# Altium PCB Evaluation Board.PcbDoc (part 5 of 22)
Units mm, origin at the board's own origin, x right, y up, seen from the top; angles counter-clockwise.
Board outline 200 x 200 mm, 4 copper layers (Top Layer, GND, Power, Bottom Layer), stack 1.56 mm thick; 639 components, 758 nets, 3043 pads, 1306 vias.
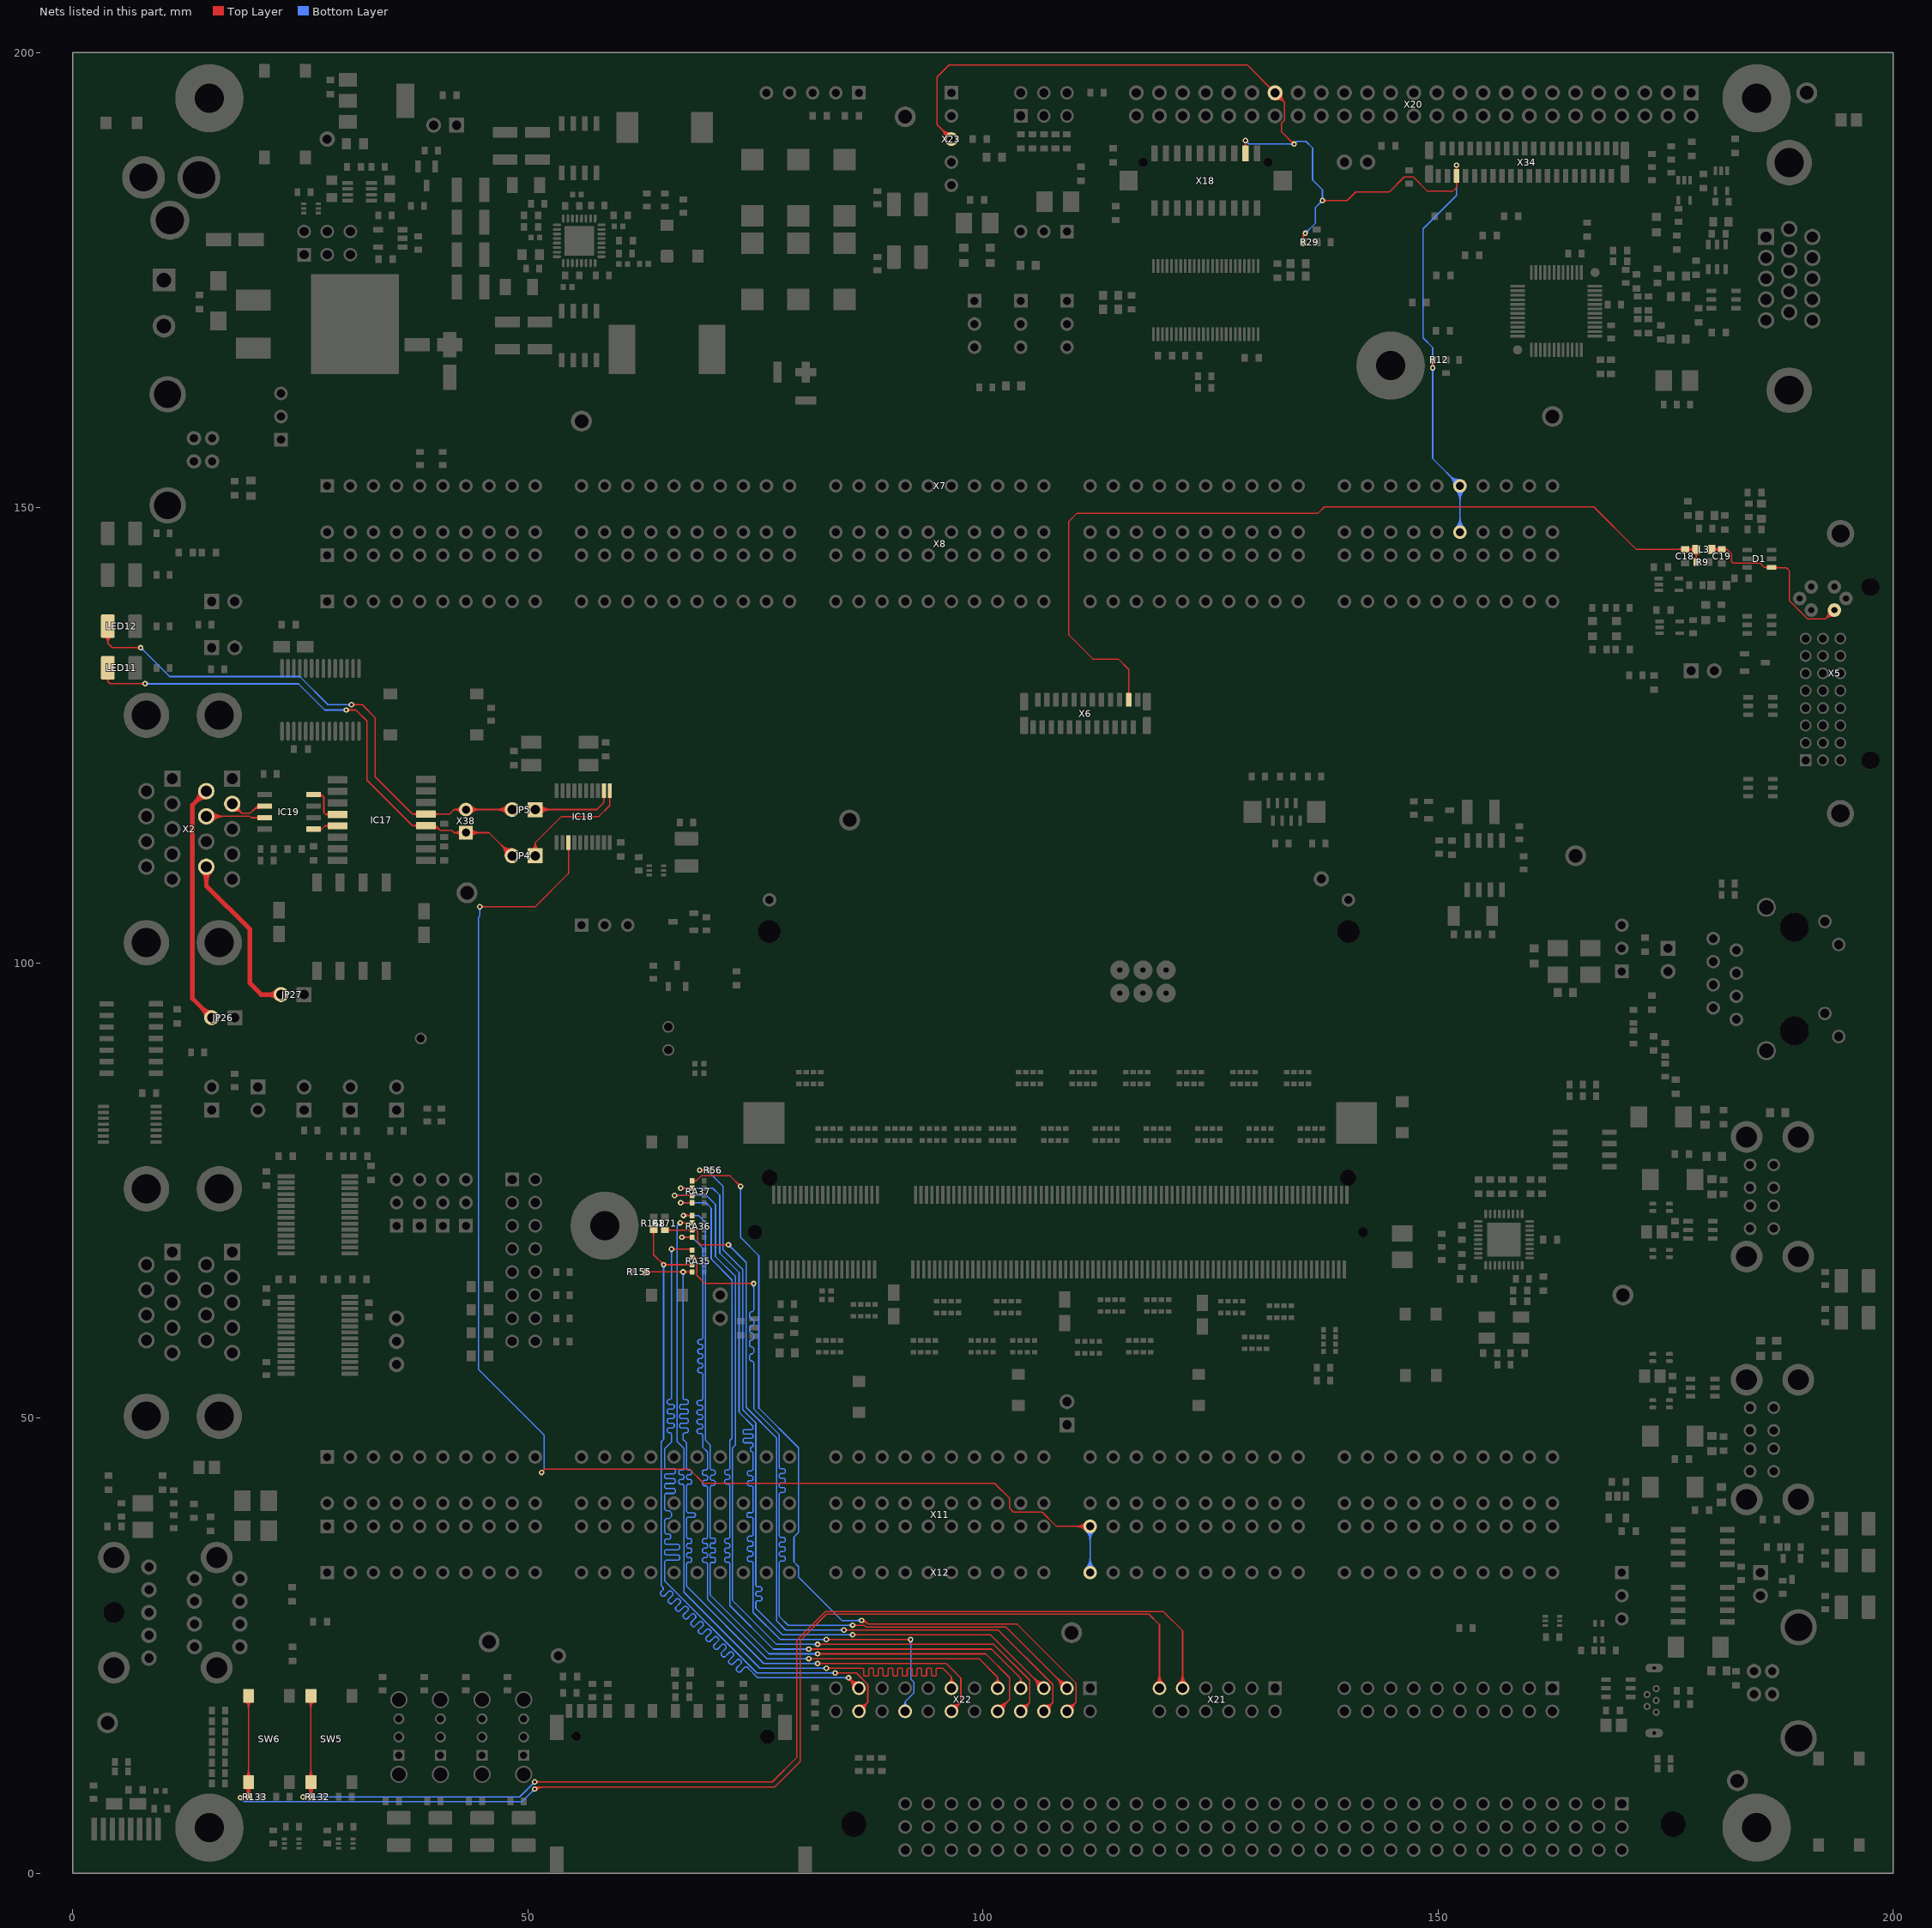
[diagram p7: the nets of this part, all layers, seen from the top]

## Via types
v1: diameter 0.6, hole 0.3, Top Layer to Bottom Layer, 1222 vias
v2: diameter 0.6, hole 0.3, Top Layer to Bottom Layer, tented both sides, 84 vias

## Nets (pads, with @x,y where several pads share a name; then routed paths per layer and width w, separated by ;. In a path a pad name is that pad's centre, name@x,y a point inside that pad or via, vN(x,y) a via of type N, cw(c..) or ccw(c..) an arc to the next point about the centre after c; other vN are vias at no path point) (continued)
BL_ON: R12.1 R29.1 X7.46 X8.B46 X18.17 X20.37 X23.3 X34.5 | length 180.5
  Top Layer w0.15: X23.3@95.845,190.5 ccw(c94.215,190.5) 95.368,191.652 ccw(c96.52,192.805) X23.3@96.52,191.175 ; X23.3@95.995,190.5 ccw(c94.728,190.5) 95.624,191.396 ccw(c96.52,192.292) X23.3@96.52,191.025 ; X23.3@96.145,190.5 ccw(c95.24,190.5) 95.88,191.14 ccw(c96.52,191.78) X23.3@96.52,190.875 ; X23.3@96.52,190.5 94.945,192.075 94.945,197.307 96.266,198.628 129.032,198.628 X20.37@132.08,195.58 133.13,194.53 ; X18.17@128.641,189.622 ccw(c128.171,190.092) 128.835,190.092 ccw(c129.499,190.092) X18.17@129.029,189.622 ; X18.17@128.835,188.928 v1(128.835,190.348) ; X20.37@132.147,195.135 cw(c132.245,194.486) 132.71,194.95 cw(c133.174,195.415) X20.37@132.525,195.513 ; X20.37@132.17,194.987 cw(c132.301,194.121) 132.92,194.74 cw(c133.539,195.359) X20.37@132.673,195.49 ; X20.37@132.192,194.838 cw(c132.356,193.756) 133.13,194.53 ; X20.37@132.822,195.468 ccw(c133.904,195.304) 133.13,194.53 ; 133.706,190.369 ccw(c134.175,190.839) v1@134.175,190.175 ; 133.826,190.249 cw(c133.528,189.95) v1@133.95,189.95 ; v1@134.15,189.925 132.8,191.275 132.8,192.275 133.13,192.605 133.13,194.53 ; R29.1@134.988,179.448 ccw(c134.561,179.875) 135.165,179.875 ccw(c135.769,179.875) R29.1@135.342,179.448 ; R29.1@135.165,179.172 135.165,179.894 ; 135.165,179.8 cw(c135.703,179.8) v1@135.351,180.207 ; v1@135.195,180.058 cw(c135.062,179.998) 135.165,179.894 ; v1@135.332,179.935 ccw(c135.283,179.777) 135.165,179.894 ; v1@135.41,180.14 135.165,179.894 ; v1(137.287,183.744) 139.994,183.744 140.943,184.693 144.643,184.693 146.274,186.324 147.28,186.324 148.838,184.765 151.618,184.765 152.016,185.163 v2@152.016,187.619 ; v1@137.446,183.585 cw(c137.83,183.2) 137.83,183.744 cw(c137.83,184.287) v1@137.446,183.903 ; R12.1@149.223,165.973 cw(c148.796,165.546) 149.4,165.546 cw(c150.004,165.546) R12.1@149.577,165.973 ; R12.1@149.287,166.237 R12.1@149.3,166.25 ; v1(149.4,165.354) R12.1@149.4,166.25 ; X34.5@151.857,185.851 cw(c151.473,185.467) 152.016,185.467 cw(c152.559,185.467) X34.5@152.175,185.851 ; X34.5@151.857,187.069 ccw(c151.473,187.453) 152.016,187.453 ccw(c152.559,187.453) X34.5@152.175,187.069
  Bottom Layer w0.15: v1@128.835,190.123 cw(c128.835,189.579) 129.219,189.963 cw(c129.603,190.348) v1@129.06,190.348 ; v1(128.835,190.348) 129.233,189.95 v1(134.175,189.95) 134.475,190.25 135.467,190.25 136.2,189.517 136.2,186 137.287,184.913 v1(137.287,183.744) 136.525,182.982 136.525,181.275 v1(135.4,180.15) ; v1@134.016,189.791 ccw(c133.632,189.407) 133.632,189.95 ccw(c133.632,190.493) v1@134.016,190.109 ; v1@135.4,180.375 ccw(c135.4,180.918) 135.784,180.534 ccw(c136.168,180.15) v1@135.625,180.15 ; v1@137.062,183.744 cw(c136.519,183.744) 136.903,183.36 cw(c137.287,182.975) v1@137.287,183.519 ; v1@137.128,183.903 ccw(c136.744,184.287) 137.287,184.287 ccw(c137.83,184.287) v1@137.446,183.903 ; v1@149.241,165.195 cw(c148.857,164.811) 149.4,164.811 cw(c149.943,164.811) v1@149.559,165.195 ; v1@149.241,165.513 ccw(c148.857,165.897) 149.4,165.897 ccw(c149.943,165.897) v1@149.559,165.513 ; X7.46@151.725,152.4 ccw(c150.095,152.4) 151.248,153.552 ccw(c152.4,154.705) X7.46@152.4,153.075 ; v2@151.857,187.471 cw(c151.473,187.087) 152.016,187.087 cw(c152.559,187.087) v2@152.175,187.471 ; X7.46@151.875,152.4 ccw(c150.608,152.4) 151.504,153.296 ccw(c152.4,154.192) X7.46@152.4,152.925 ; X8.B46@151.923,147.797 ccw(c150.77,148.95) 152.4,148.95 ccw(c154.03,148.95) X8.B46@152.877,147.797 ; X7.46@151.923,151.923 cw(c150.77,150.77) 152.4,150.77 cw(c154.03,150.77) X7.46@152.877,151.923 ; v2(152.016,187.63) 152.016,184.316 148.336,180.636 148.336,168.656 149.4,167.592 v1(149.4,165.354) 149.4,155.4 X7.46@152.4,152.4 X8.B46@152.4,147.32 ; X7.46@152.025,152.4 ccw(c151.12,152.4) 151.76,153.04 ccw(c152.4,153.68) X7.46@152.4,152.775 ; X8.B46@152.029,147.691 ccw(c151.133,148.587) 152.4,148.587 ccw(c153.667,148.587) X8.B46@152.771,147.691 ; X7.46@152.029,152.029 cw(c151.133,151.133) 152.4,151.133 cw(c153.667,151.133) X7.46@152.771,152.029 ; X8.B46@152.135,147.585 ccw(c151.495,148.225) 152.4,148.225 ccw(c153.305,148.225) X8.B46@152.665,147.585 ; X7.46@152.135,152.135 cw(c151.495,151.495) 152.4,151.495 cw(c153.305,151.495) X7.46@152.665,152.135
BUTTON_1: R132.2 SW5.3 SW5.4 X21.9 | length 154.4
  Top Layer w0.15: v1(25.275,8.375) 26.141,8.375 R132.2@26.148,8.382 R132.2@26.148,8.382 SW5.3@26.147,9.982 SW5.4@26.147,19.482 ; v1@25.527,8.375 ccw(c25.527,9.002) R132.2@25.971,8.559 ; v1@25.561,8.375 cw(c25.561,7.795) R132.2@25.971,8.205 ; SW5.3@25.776,9.461 cw(c24.879,8.565) 26.147,8.565 cw(c27.414,8.565) SW5.3@26.518,9.461 ; SW5.3@25.776,10.503 ccw(c24.879,11.399) 26.147,11.399 ccw(c27.414,11.399) SW5.3@26.518,10.503 ; SW5.4@25.776,18.961 cw(c24.879,18.065) 26.147,18.065 cw(c27.414,18.065) SW5.4@26.518,18.961 ; SW5.3@25.882,9.567 cw(c25.242,8.927) 26.147,8.927 cw(c27.052,8.927) SW5.3@26.412,9.567 ; SW5.3@25.882,10.397 ccw(c25.242,11.037) 26.147,11.037 ccw(c27.052,11.037) SW5.3@26.412,10.397 ; SW5.4@25.882,19.067 cw(c25.242,18.427) 26.147,18.427 cw(c27.052,18.427) SW5.4@26.412,19.067 ; R132.2@25.931,8.607 ccw(c25.348,8.944) 25.999,9.118 ; R132.2@25.971,8.659 ccw(c25.547,9.083) 26.147,9.083 ; R132.2@26.023,8.699 ccw(c25.759,9.155) 26.269,9.019 ; 26.024,9.023 ccw(c26.54,9.161) R132.2@26.273,8.699 ; 26.147,9.088 ccw(c26.754,9.088) R132.2@26.325,8.659 ; 26.297,9.123 ccw(c26.953,8.947) R132.2@26.364,8.607 ; v1(50.741,10.025) 76.85,10.025 79.55,12.725 79.55,25.624 82.671,28.745 119.805,28.745 121.92,26.63 X21.9@121.92,20.32 ; v1@50.9,9.866 cw(c51.284,9.482) 51.284,10.025 cw(c51.284,10.568) v1@50.9,10.184 ; X21.9@121.443,20.797 ccw(c120.29,21.95) 121.92,21.95 ccw(c123.55,21.95) X21.9@122.397,20.797 ; X21.9@121.549,20.691 ccw(c120.653,21.587) 121.92,21.587 ccw(c123.187,21.587) X21.9@122.291,20.691 ; X21.9@121.655,20.585 ccw(c121.015,21.225) 121.92,21.225 ccw(c122.825,21.225) X21.9@122.185,20.585
  Bottom Layer w0.15: v1(25.275,8.375) 49.091,8.375 v1(50.741,10.025) ; v1@25.434,8.216 cw(c25.818,7.832) 25.818,8.375 cw(c25.818,8.918) v1@25.434,8.534 ; v1@50.516,10.025 cw(c49.973,10.025) 50.357,9.641 cw(c50.741,9.257) v1@50.741,9.8
BUTTON_2: R133.2 SW6.3 SW6.4 X21.11 | length 161.2
  Top Layer w0.15: v1(18.375,8.3) 19.208,8.3 R133.2@19.29,8.382 R133.2@19.29,8.382 SW6.3@19.289,9.982 SW6.4@19.289,19.482 ; v1@18.643,8.3 cw(c18.643,7.635) R133.2@19.113,8.105 ; 18.73,8.3 ccw(c18.73,8.842) R133.2@19.113,8.459 ; SW6.3@18.918,9.461 cw(c18.021,8.565) 19.289,8.565 cw(c20.556,8.565) SW6.3@19.66,9.461 ; SW6.3@18.918,10.503 ccw(c18.021,11.399) 19.289,11.399 ccw(c20.556,11.399) SW6.3@19.66,10.503 ; SW6.4@18.918,18.961 cw(c18.021,18.065) 19.289,18.065 cw(c20.556,18.065) SW6.4@19.66,18.961 ; SW6.3@19.024,9.567 cw(c18.384,8.927) 19.289,8.927 cw(c20.194,8.927) SW6.3@19.554,9.567 ; SW6.3@19.024,10.397 ccw(c18.384,11.037) 19.289,11.037 ccw(c20.194,11.037) SW6.3@19.554,10.397 ; SW6.4@19.024,19.067 cw(c18.384,18.427) 19.289,18.427 cw(c20.194,18.427) SW6.4@19.554,19.067 ; R133.2@19.073,8.607 ccw(c18.49,8.944) 19.141,9.118 ; R133.2@19.113,8.659 ccw(c18.689,9.083) 19.289,9.083 ; R133.2@19.165,8.699 ccw(c18.901,9.155) 19.411,9.019 ; 19.166,9.023 ccw(c19.682,9.161) R133.2@19.415,8.699 ; 19.289,9.088 ccw(c19.896,9.088) R133.2@19.467,8.659 ; 19.439,9.123 ccw(c20.095,8.947) R133.2@19.506,8.607 ; v1@50.688,9.302 cw(c51.104,8.885) 51.104,9.474 ; v1(50.741,9.249) 50.966,9.474 ; v1@50.794,9.196 cw(c51.466,8.523) 51.466,9.474 ; v1@50.837,9.452 ccw(c50.886,9.554) 50.966,9.474 ; v1@50.9,9.09 cw(c51.828,8.161) 51.828,9.474 ; v1@50.944,9.345 cw(c51.046,9.394) 50.966,9.474 ; X21.11@118.903,20.797 ccw(c117.75,21.95) 119.38,21.95 ccw(c121.01,21.95) X21.11@119.857,20.797 ; X21.11@119.009,20.691 ccw(c118.113,21.587) 119.38,21.587 ccw(c120.647,21.587) X21.11@119.751,20.691 ; X21.11@119.115,20.585 ccw(c118.475,21.225) 119.38,21.225 ccw(c120.285,21.225) X21.11@119.645,20.585 ; X21.11@119.38,20.32 119.38,27.295 118.23,28.445 82.795,28.445 79.904,25.554 79.904,12.254 77.124,9.474 50.966,9.474
  Bottom Layer w0.15: v1@18.375,8.075 cw(c18.375,7.532) 18.759,7.916 cw(c19.143,8.3) v1@18.6,8.3 ; v1(18.375,8.3) 18.825,7.85 49.342,7.85 v1(50.741,9.249) ; v1@50.516,9.249 cw(c49.973,9.249) 50.357,8.865 cw(c50.741,8.481) v1@50.741,9.024
CAN_H: IC19.7 X2.U7 | length 16.6
  Top Layer w0.15: X2.U7@14.799,115.95 X2.U7@14.656,116.093 19.46,116.093 19.603,115.951 IC19.7@21.047,115.951 IC19.7@21.047,115.951 ; X2.U7@14.921,115.828 cw(c15.561,115.188) 15.561,116.093 cw(c15.561,116.999) X2.U7@14.921,116.359 ; X2.U7@15.027,115.722 cw(c15.923,114.826) 15.923,116.093 cw(c15.923,117.361) X2.U7@15.027,116.465 ; X2.U7@15.133,115.616 cw(c16.285,114.464) 16.285,116.093 cw(c16.285,117.723) X2.U7@15.133,116.571 ; X2.U7@15.239,115.51 cw(c16.648,114.102) 16.648,116.093 cw(c16.648,118.085) X2.U7@15.239,116.677 ; IC19.7@20.388,115.792 ccw(c20.003,115.408) 20.003,115.951 ccw(c20.003,116.494) IC19.7@20.388,116.11
CAN_INT#: IC18.13 X11.A31 X12.31 | length 169.6
  Top Layer w0.15: v1(44.704,106.172) 50.8,106.172 54.441,109.813 IC18.13@54.441,113.228 ; v1@44.863,106.013 cw(c45.247,105.629) 45.247,106.172 cw(c45.247,106.715) v1@44.863,106.331 ; v1(51.486,44.018) 51.833,44.365 ; v1@51.502,44.243 ccw(c51.534,44.665) 51.833,44.365 ; v1@51.71,44.035 cw(c52.132,44.066) 51.833,44.365 ; IC18.13@54.335,112.547 cw(c54.079,112.291) 54.441,112.291 cw(c54.803,112.291) IC18.13@54.547,112.547 ; X11.A31@111.283,37.623 ccw(c110.13,36.47) 110.13,38.1 ccw(c110.13,39.73) X11.A31@111.283,38.577 ; X11.A31@111.389,37.729 ccw(c110.493,36.833) 110.493,38.1 ccw(c110.493,39.367) X11.A31@111.389,38.471 ; X11.A31@111.495,37.835 ccw(c110.855,37.195) 110.855,38.1 ccw(c110.855,39.005) X11.A31@111.495,38.365 ; X11.A31@111.76,38.1 108.059,38.1 106.494,39.665 103.337,39.665 102.921,40.081 102.921,41.173 101.261,42.833 69.314,42.833 67.782,44.365 51.833,44.365
  Bottom Layer w0.15: v1@44.545,106.013 cw(c44.161,105.629) 44.704,105.629 cw(c45.247,105.629) v1@44.863,106.013 ; v1(44.704,106.172) 44.704,105.156 44.577,105.029 44.577,55.323 51.775,48.125 51.775,44.307 v1(51.486,44.018) ; X12.31@111.283,33.497 ccw(c110.13,34.65) 111.76,34.65 ccw(c113.39,34.65) X12.31@112.237,33.497 ; X11.A31@111.283,37.623 cw(c110.13,36.47) 111.76,36.47 cw(c113.39,36.47) X11.A31@112.237,37.623 ; X12.31@111.389,33.391 ccw(c110.493,34.287) 111.76,34.287 ccw(c113.027,34.287) X12.31@112.131,33.391 ; X11.A31@111.389,37.729 cw(c110.493,36.833) 111.76,36.833 cw(c113.027,36.833) X11.A31@112.131,37.729 ; X12.31@111.495,33.285 ccw(c110.855,33.925) 111.76,33.925 ccw(c112.665,33.925) X12.31@112.025,33.285 ; X11.A31@111.495,37.835 cw(c110.855,37.195) 111.76,37.195 cw(c112.665,37.195) X11.A31@112.025,37.835 ; X12.31@111.76,33.02 X11.A31@111.76,38.1
CAN_L: IC19.6 X2.U2 | length 11.4
  Top Layer w0.15: X2.U2@17.629,116.969 cw(c17.764,116.433) 18.155,116.824 cw(c18.545,117.214) X2.U2@18.01,117.349 ; X2.U2@17.666,116.823 cw(c17.839,116.135) 18.341,116.637 cw(c18.844,117.139) X2.U2@18.155,117.313 ; X2.U2@17.702,116.678 cw(c17.915,115.836) 18.528,116.45 ; X2.U2@17.757,117.221 X2.U2@17.501,117.478 18.528,116.45 ; X2.U2@18.301,117.276 ccw(c19.142,117.064) 18.528,116.45 ; 19.649,116.624 cw(c20.547,115.727) IC19.6@20.547,116.996 ; 19.905,116.88 cw(c20.547,116.239) IC19.6@20.547,117.146 ; 20.161,117.136 cw(c20.547,116.751) IC19.6@20.547,117.296 ; IC19.6@20.331,117.158 ccw(c20.246,117.133) 20.246,117.221 ; IC19.6@20.331,117.284 cw(c20.246,117.309) 20.246,117.221 ; IC19.6@21.047,117.221 20.246,117.221 ; 18.528,116.45 19.475,116.45 20.246,117.221
CAN_PGND: JP26.2 X2.U6 | length 31
  Top Layer w0.5: X2.U6@14.006,118.862 cw(c12.437,118.862) 13.546,117.752 cw(c14.656,116.643) X2.U6@14.656,118.212 ; X2.U6@14.656,118.862 13.125,117.331 13.125,96.095 JP26.2@15.24,93.98 ; JP26.2@14.665,93.98 ccw(c13.277,93.98) 14.258,94.962 ccw(c15.24,95.943) JP26.2@15.24,94.555
CAN_PW: JP27.2 X2.U9 | length 23.4
  Top Layer w0.5: X2.U9@14.196,110.097 cw(c13.087,108.987) 14.656,108.987 cw(c16.225,108.987) X2.U9@15.115,110.097 ; X2.U9@14.656,110.556 14.656,108.469 19.45,103.675 19.45,97.75 20.68,96.52 JP27.2@22.86,96.52 ; JP27.2@22.453,96.113 ccw(c21.472,95.132) 21.472,96.52 ccw(c21.472,97.908) JP27.2@22.453,96.927
CAN_RX: IC17.5 JP5.2 LED12.K X38.2 | length 84.5
  Top Layer w0.15: LED12.K@3.436,135.881 cw(c2.865,135.098) 3.834,135.098 ; LED12.K@3.525,136.002 cw(c3.08,135.393) 3.834,135.393 cw(c4.588,135.393) LED12.K@4.143,136.002 ; LED12.K@3.834,136.976 3.834,135.098 ; LED12.K@4.232,135.881 ccw(c4.803,135.098) 3.834,135.098 ; v1@7.291,134.466 ccw(c6.907,134.082) 6.907,134.625 ccw(c6.907,135.168) v1@7.291,134.784 ; v1(7.45,134.625) 4.307,134.625 3.834,135.098 ; v2(30.609,128.358) 31.777,128.358 33.198,126.937 33.198,120.445 37.301,116.342 ; v2@30.768,128.199 cw(c31.152,127.815) 31.152,128.358 cw(c31.152,128.902) v2@30.768,128.517 ; IC17.5@37.852,116.113 ccw(c37.301,115.564) 37.301,116.342 ; IC17.5@37.852,116.571 cw(c37.301,117.12) 37.301,116.342 ; IC17.5@37.959,116.219 ccw(c37.662,115.923) 37.662,116.342 ccw(c37.662,116.761) IC17.5@37.959,116.465 ; IC17.5@39.606,116.218 cw(c39.905,115.92) 39.905,116.342 cw(c39.905,116.764) IC17.5@39.606,116.466 ; IC17.5@39.713,116.112 cw(c40.267,115.557) 40.267,116.342 cw(c40.267,117.127) IC17.5@39.713,116.572 ; X38.2@42.629,116.45 ccw(c41.875,115.916) 41.875,116.84 ; X38.2@42.629,117.23 cw(c41.875,117.764) 41.875,116.84 ; X38.2@42.752,116.537 ccw(c42.165,116.121) 42.165,116.84 ccw(c42.165,117.559) X38.2@42.752,117.143 ; X38.2@43.445,116.575 cw(c44.085,115.935) 44.085,116.84 cw(c44.085,117.745) X38.2@43.445,117.105 ; X38.2@43.551,116.469 cw(c44.447,115.573) 44.447,116.84 cw(c44.447,118.107) X38.2@43.551,117.211 ; X38.2@43.657,116.363 cw(c44.81,115.21) 44.81,116.84 cw(c44.81,118.47) X38.2@43.657,117.317 ; JP5.2@47.73,116.31 ccw(c46.449,115.029) 46.449,116.84 ccw(c46.449,118.651) JP5.2@47.73,117.37 ; JP5.2@47.836,116.416 ccw(c46.811,115.391) 46.811,116.84 ccw(c46.811,118.289) JP5.2@47.836,117.264 ; JP5.2@47.942,116.522 ccw(c47.174,115.754) 47.174,116.84 ccw(c47.174,117.926) JP5.2@47.942,117.158 ; JP5.2@48.26,116.84 X38.2@43.18,116.84 41.875,116.84 ; 37.301,116.342 IC17.5@38.783,116.342 41.377,116.342 41.875,116.84
  Bottom Layer w0.15: v1@7.45,134.4 cw(c7.45,133.857) 7.834,134.241 cw(c8.218,134.625) v1@7.675,134.625 ; v1(7.45,134.625) 10.625,131.45 24.925,131.45 28.017,128.358 v2(30.609,128.358) ; v2@30.45,128.199 ccw(c30.065,127.815) 30.065,128.358 ccw(c30.065,128.902) v2@30.45,128.517
CAN_RX_ISO: IC17.12 IC19.4 | length 7.3
  Top Layer w0.15: IC19.4@26.447,118.491 27.309,118.491 ; IC19.4@26.91,118.556 cw(c27.069,118.276) 27.296,118.504 ; IC19.4@26.984,118.426 cw(c27.169,118.098) 27.436,118.364 ; IC19.4@27.058,118.295 cw(c27.27,117.92) 27.575,118.225 ; IC19.4@27.148,118.391 cw(c27.309,118.312) 27.309,118.491 ; IC19.4@27.148,118.591 ccw(c27.309,118.67) 27.309,118.491 ; IC17.12@28.118,116.134 ccw(c27.753,115.874) 27.753,116.322 ; IC17.12@28.118,116.51 cw(c27.753,116.77) 27.753,116.322 ; IC17.12@29.083,116.322 27.753,116.322 ; 27.309,118.491 27.575,118.225 ; 27.575,118.225 27.575,116.5 27.753,116.322
CAN_RX_JMP: IC18.2 JP5.1 | length 16.6
  Top Layer w0.15: JP5.1@50.8,116.84 57.556,116.84 58.341,117.624 IC18.2@58.341,118.928 ; JP5.1@51.118,116.522 cw(c51.886,115.754) 51.886,116.84 cw(c51.886,117.926) JP5.1@51.118,117.158 ; JP5.1@51.224,116.416 cw(c52.249,115.391) 52.249,116.84 cw(c52.249,118.289) JP5.1@51.224,117.264 ; JP5.1@51.33,116.31 cw(c52.611,115.029) 52.611,116.84 cw(c52.611,118.651) JP5.1@51.33,117.37 ; IC18.2@58.235,118.247 cw(c57.979,117.991) 58.341,117.991 cw(c58.703,117.991) IC18.2@58.447,118.247
CAN_TX: IC17.4 JP4.2 LED11.K X38.1 | length 81.8
  Top Layer w0.15: LED11.K@3.62,131.214 cw(c3.52,130.916) 3.834,130.916 ; LED11.K@3.834,132.404 3.834,130.916 ; LED11.K@4.048,131.214 ccw(c4.148,130.916) 3.834,130.916 ; v1@7.766,130.516 ccw(c7.382,130.132) 7.382,130.675 ccw(c7.382,131.218) v1@7.766,130.834 ; v1(7.925,130.675) 4.075,130.675 3.834,130.916 ; v2(30.037,127.776) 31.089,127.776 32.3,126.565 32.3,120.073 37.301,115.072 ; v2@30.196,127.617 cw(c30.58,127.233) 30.58,127.776 cw(c30.58,128.32) v2@30.196,127.936 ; IC17.4@37.852,114.843 ccw(c37.301,114.294) 37.301,115.072 ; IC17.4@37.852,115.301 cw(c37.301,115.85) 37.301,115.072 ; IC17.4@37.959,114.949 ccw(c37.662,114.653) 37.662,115.072 ccw(c37.662,115.491) IC17.4@37.959,115.195 ; IC17.4@39.49,115.048 cw(c39.635,114.533) 40.013,114.912 ; IC17.4@39.53,114.904 cw(c39.715,114.252) 40.194,114.731 ; IC17.4@39.571,114.759 cw(c39.795,113.97) 40.375,114.55 ; X38.1@42.629,113.91 ccw(c41.875,113.376) 41.875,114.3 ; X38.1@42.629,114.69 cw(c41.875,115.224) 41.875,114.3 ; X38.1@42.752,113.997 ccw(c42.165,113.581) 42.165,114.3 ccw(c42.165,115.019) X38.1@42.752,114.603 ; X38.1@43.445,114.035 cw(c44.085,113.395) 44.085,114.3 cw(c44.085,115.205) X38.1@43.445,114.565 ; X38.1@43.551,113.929 cw(c44.447,113.033) 44.447,114.3 cw(c44.447,115.567) X38.1@43.551,114.671 ; X38.1@43.657,113.823 cw(c44.81,112.67) 44.81,114.3 cw(c44.81,115.93) X38.1@43.657,114.777 ; JP4.2@47.51,111.76 ccw(c45.699,111.76) 46.98,113.04 ccw(c48.26,114.321) JP4.2@48.26,112.51 ; JP4.2@47.66,111.76 ccw(c46.211,111.76) 47.236,112.784 ccw(c48.26,113.809) JP4.2@48.26,112.36 ; JP4.2@47.81,111.76 ccw(c46.724,111.76) 47.492,112.528 ccw(c48.26,113.296) JP4.2@48.26,112.21 ; JP4.2@48.26,111.76 45.72,114.3 X38.1@43.18,114.3 41.875,114.3 ; 37.301,115.072 IC17.4@38.783,115.072 39.853,115.072 40.375,114.55 ; 40.375,114.55 41.625,114.55 41.875,114.3
  Bottom Layer w0.15: v1@7.95,130.65 24.793,130.65 27.666,127.776 v2(30.037,127.776) ; v1@8.084,130.516 cw(c8.408,130.192) 8.408,130.65 ; v1@8.084,130.834 ccw(c8.529,131.279) 8.529,130.65 ; v2@29.877,127.617 ccw(c29.493,127.233) 29.493,127.776 ccw(c29.493,128.32) v2@29.877,127.936
CAN_TX_ISO: IC17.13 IC19.1 | length 4.2
  Top Layer w0.15: IC19.1@26.447,114.681 27.331,114.681 ; IC19.1@27.143,114.571 cw(c27.331,114.465) 27.331,114.681 ; IC19.1@27.143,114.791 ccw(c27.331,114.897) 27.331,114.681 ; IC17.13@28.13,114.848 ccw(c27.702,114.502) 27.702,115.052 ; IC17.13@28.13,115.256 cw(c27.702,115.602) 27.702,115.052 ; IC17.13@29.083,115.052 27.702,115.052 ; 27.331,114.681 27.702,115.052
CAN_TX_JMP: IC18.1 JP4.1 | length 18.2
  Top Layer w0.15: JP4.1@50.367,112.373 ccw(c49.778,113.208) 50.8,113.208 ; JP4.1@50.454,112.25 ccw(c49.982,112.918) 50.8,112.918 ccw(c51.618,112.918) JP4.1@51.146,112.25 ; JP4.1@50.54,112.128 ccw(c50.187,112.629) 50.8,112.629 ccw(c51.413,112.629) JP4.1@51.06,112.128 ; JP4.1@50.8,111.76 50.8,113.208 ; JP4.1@51.233,112.373 cw(c51.822,113.208) 50.8,113.208 ; IC18.1@58.885,118.247 cw(c58.629,117.991) 58.991,117.991 cw(c59.353,117.991) IC18.1@59.097,118.247 ; IC18.1@58.991,118.928 58.991,117.284 57.785,116.078 53.67,116.078 50.8,113.208
CIF_D_1: RA37.7 X22.18 | length 97.8
  Top Layer w0.15: v1(66.775,75.25) 68.032,75.25 RA37.7@68.042,75.26 ; v1@66.934,75.091 cw(c67.318,74.707) 67.318,75.25 cw(c67.318,75.793) v1@66.934,75.409 ; 67.595,75.25 ccw(c67.595,75.707) RA37.7@67.918,75.384 ; 67.644,75.25 cw(c67.644,74.862) RA37.7@67.918,75.136 ; v1(82.779,25.663) v1(92.05,25.663) ; v1@82.938,25.504 cw(c83.322,25.12) 83.322,25.663 cw(c83.322,26.206) v1@82.938,25.822 ; v1@91.891,25.504 ccw(c91.506,25.12) 91.506,25.663 ccw(c91.506,26.206) v1@91.891,25.822
  Bottom Layer w0.15: v1(66.775,75.25) 70.292,75.25 71.071,74.471 71.071,68.103 73.191,65.983 73.191,50.634 74.727,49.098 74.727,48.836 74.607,48.716 73.745,48.716 73.625,48.596 73.625,48.356 73.745,48.236 74.607,48.236 74.727,48.116 74.727,47.876 74.607,47.756 73.745,47.756 73.625,47.636 73.625,47.396 73.745,47.276 74.607,47.276 74.727,47.156 74.727,46.916 74.607,46.796 74.547,46.796 74.427,46.676 74.427,46.436 74.547,46.316 74.607,46.316 74.727,46.196 74.727,44.347 74.589,44.209 74.254,44.209 74.117,44.072 74.117,43.797 74.254,43.659 74.589,43.659 74.727,43.522 74.727,43.247 74.589,43.109 74.254,43.109 74.117,42.972 74.117,42.697 74.254,42.559 74.589,42.559 74.727,42.422 74.727,39.698 74.625,39.596 74.149,39.596 74.047,39.494 74.047,39.188 74.149,39.086 74.625,39.086 74.727,38.984 74.727,37.148 74.589,37.01 74.254,37.01 74.117,36.873 74.117,36.598 74.254,36.46 74.589,36.46 74.727,36.323 74.727,36.048 74.589,35.91 74.254,35.91 74.117,35.773 74.117,35.498 74.254,35.36 74.589,35.36 74.727,35.223 74.727,34.948 74.589,34.81 74.254,34.81 74.117,34.673 74.117,34.398 74.254,34.26 74.589,34.26 74.727,34.123 74.727,28.644 77.708,25.663 81.596,25.663 v1(82.779,25.663) ; v1@66.934,75.091 cw(c67.318,74.707) 67.318,75.25 cw(c67.318,75.793) v1@66.934,75.409 ; v1@82.62,25.504 ccw(c82.235,25.12) 82.235,25.663 ccw(c82.235,26.206) v1@82.62,25.822 ; X22.18@91.151,18.39 ccw(c90.935,18.847) 91.44,18.847 ; X22.18@91.215,18.254 ccw(c91.047,18.61) 91.44,18.61 ccw(c91.833,18.61) X22.18@91.665,18.254 ; X22.18@91.44,17.78 91.44,18.847 ; X22.18@91.729,18.39 cw(c91.945,18.847) 91.44,18.847 ; v1@91.891,25.504 cw(c91.506,25.12) 92.05,25.12 cw(c92.593,25.12) v1@92.209,25.504 ; v1(92.05,25.663) 92.05,21.336 92.415,20.971 92.415,19.822 91.44,18.847